# KiCad board k8split.kicad_pcb (continued)
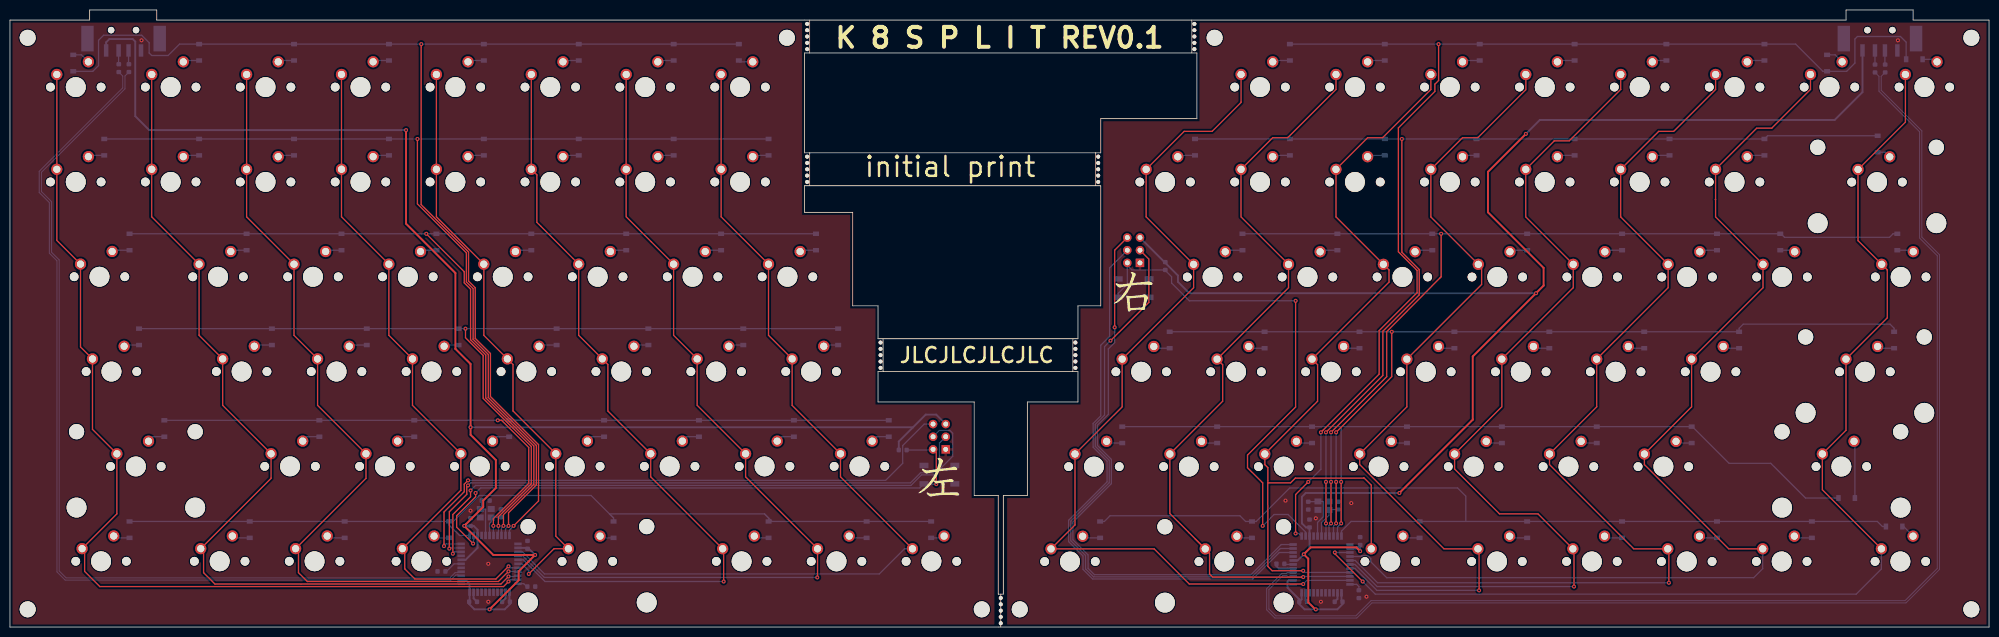
[diagram p0: board, top side]
## Nets (continued)
Net-(D31-Pad2): D31.2 MX31.2
Net-(D32-Pad2): D32.2 MX32.2
Net-(D33-Pad2): D33.2 MX33.2
Net-(D34-Pad2): D34.2 MX34.2
Net-(D35-Pad2): D35.2 MX35.2
Net-(D36-Pad2): D36.2 MX36.2
Net-(D37-Pad2): D37.2 MX37.2
Net-(D38-Pad2): D38.2 MX38.2
Net-(D39-Pad2): D39.2 MX39.2
Net-(D40-Pad2): D40.2 MX40.2
Net-(D41-Pad2): D41.2 MX41.2
Net-(D42-Pad2): D42.2 MX42.2
Net-(D43-Pad2): D43.2 MX43.2
Net-(D44-Pad2): D44.2 MX44.2
Net-(D45-Pad2): D45.2 MX45.2
Net-(D46-Pad2): D46.2 MX46.2
Net-(D47-Pad2): D47.2 MX47.2
Net-(D48-Pad2): D48.2 MX48.2
Net-(D49-Pad2): D49.2 MX49.2
Net-(D50-Pad2): D50.2 MX50.2
Net-(D51-Pad2): D51.2 MX51.2
Net-(D52-Pad2): D52.2 MX52.2
Net-(D53-Pad2): D53.2 MX53.2
Net-(D54-Pad2): D54.2 MX54.2
Net-(D55-Pad2): D55.2 MX55.2
Net-(D56-Pad2): D56.2 MX56.2
Net-(D57-Pad2): D57.2 MX57.2
Net-(D58-Pad2): D58.2 MX58.2
Net-(D59-Pad2): D59.2 MX59.2
Net-(D60-Pad2): D60.2 MX60.2
Net-(D61-Pad2): D61.2 MX61.2
Net-(D62-Pad2): D62.2 MX62.2
Net-(D63-Pad2): D63.2 MX63.2
Net-(D64-Pad2): D64.2 MX64.2
Net-(D65-Pad2): D65.2 MX65.2
Net-(D66-Pad2): D66.2 MX66.2
Net-(D67-Pad2): D67.2 MX67.2
Net-(D68-Pad2): D68.2 MX68.2
Net-(D69-Pad2): D69.2 MX69.2
Net-(D70-Pad2): D70.2 MX70.2
Net-(D71-Pad2): D71.2 MX71.2
Net-(D72-Pad2): D72.2 MX72.2
Net-(D73-Pad2): D73.2 MX73.2
Net-(D74-Pad2): D74.2 MX74.2
Net-(D75-Pad2): D75.2 MX75.2
Net-(D76-Pad2): D76.2 MX76.2
Net-(D77-Pad2): D77.2 MX77.2
Net-(D78-Pad2): D78.2 MX78.2
Net-(D79-Pad2): D79.2 MX79.2
Net-(D80-Pad2): D80.2 MX80.2
Net-(D81-Pad2): D81.2 MX81.2
Net-(D82-Pad2): D82.2 MX82.2
Net-(D83-Pad2): D83.2 MX83.2
Net-(D84-Pad2): D84.2 MX84.2
Net-(D85-Pad2): D85.2 MX85.2
Net-(D86-Pad2): D86.2 MX86.2
Net-(D87-Pad2): D87.2 MX87.2
Net-(D88-Pad2): D88.2 MX88.2
Net-(D89-Pad2): D89.2 MX89.2
Net-(D90-Pad2): D90.2 MX90.2
Net-(D91-Pad2): D91.2 MX91.2
Net-(D92-Pad2): D92.2 MX92.2
Net-(D93-Pad2): D93.2 MX93.2
Net-(D94-Pad2): D94.2 MX94.2
Net-(D95-Pad2): D95.2 MX95.2
Net-(D96-Pad2): D96.2 MX96.2
Net-(R3-Pad2): R3.2 USB1.2
Net-(R4-Pad2): R4.2 USB1.3
Net-(R5-Pad2): R5.2 USB2.2
Net-(R6-Pad2): R6.2 USB2.3
Net-(R25-Pad2): R25.2 U1.33
Net-(R67-Pad2): R67.2 U2.33
Net-(U1-Pad1): U1.1
Net-(U1-Pad8): U1.8
Net-(U1-Pad36): U1.36
Net-(U1-Pad37): U1.37
Net-(U1-Pad38): U1.38
Net-(U1-Pad39): U1.39
Net-(U1-Pad40): U1.40
Net-(U1-Pad41): U1.41
Net-(U1-Pad42): U1.42
Net-(U2-Pad1): U2.1
Net-(U2-Pad8): U2.8
Net-(U2-Pad36): U2.36
Net-(U2-Pad37): U2.37
Net-(U2-Pad38): U2.38
Net-(U2-Pad39): U2.39
Net-(U2-Pad40): U2.40
Net-(U2-Pad41): U2.41
Net-(U2-Pad42): U2.42

Pads without a net: SW1 3 4; SW2 3 4

## Via types
v1: diameter 0.8, hole 0.4, Top to Bottom, 77 vias

## Routing (per net, layer and track width the routed paths; a pad name or vN(x,y) marks a point on that pad's centre or on a via; arc(x,y) is an arc through that point)
+5V: length 336.3
  Top w0.381: v1(79.5,99.82) 79.5,81.03 89.41,71.12 89.41,55.88 92.46,52.83 v1(92.46,40.13) 92.46,38.61 97.54,33.53 97.54,27.94 95,25.4 95,24.13 v1(91.19,20.32) 97.03,14.48 v1(105.41,14.48) 102.11,11.18 102.11,9.4 v1(96.27,3.56)
  Bottom w0.381: J1.2 185.93,42.67 183.82,42.67 181.28,40.13 ; U1.34 100.27,5.17 C15.1 100.36,4.61 99.31,3.56 93.23,3.56 92.18,4.61 C4.1 92.27,5.17 U1.44 92.27,8.69 91.45,9.5 U1.2 ; R1.2 178.41,37.26 181.28,40.13 ; v1(79.5,99.82) 27.94,99.82 25.15,102.62 25.15,117.6 24.64,118.11 19.96,118.11 19.3,117.46 USB1.1 ; 181.28,40.13 v1(92.46,40.13) ; U1.24 103.99,15.9 v1(105.41,14.48) ; U1.7 91.45,13.5 93.87,15.91 U1.14 93.87,19.53 93.08,20.32 v1(91.19,20.32) 91.21,20.29 C7.1
+5VA: length 340.3
  Top w0.381: v1(278.89,26.92) 293.62,41.66 293.62,54.36 307.85,68.58 307.85,72.14 296.67,83.31 296.67,91.44 v1(304.29,99.06) ; v1(271.02,15.24) 270.26,16 261.09,16 v1(259.7,14.62) 260.6,13.72 260.6,4.96 262.01,3.56
  Bottom w0.381: C11.1 258.8,5.56 256.45,7.9 256.45,9.14 256.68,9.37 U2.2 ; C11.1 258.8,4.61 259.85,3.56 266.44,3.56 267.49,4.61 C16.1 267.27,5.3 U2.34 ; C11.1 259.27,5.55 U2.44 ; U2.14 260.86,18.29 C14.1 260.14,20.02 259.33,20.82 259.33,26.16 260.1,26.92 v1(278.89,26.92) ; U2.14 260.87,15.79 v1(259.7,14.62) 258.46,13.37 U2.7 ; U2.14 260.83,18.31 ; J2.2 234.44,70.61 234.44,69.34 236.73,67.06 v1(306.32,67.06) ; v1(304.29,99.06) 307.09,101.85 366.27,101.85 371.86,107.44 USB2.1 ; v1(271.02,15.24) 271.02,16.51 270.28,15.77 268.97,15.77
  vias: v1(262.13,3.56)
GND: length 4.4
  Bottom w0.381: C15.2 99.47,5.77 U1.35 ; C4.2 93.07,5.77 U1.43
  vias: v1(26.42,117.86) v1(92.46,23.37) v1(96.01,12.7) v1(96.01,5.08)
GNDA: length 10.4
  Bottom w0.254: 367.67,117.09 368.43,116.33 ; 382.9,116.33 383.67,117.09
  Bottom w0.381: U2.5 254.68,11.77 254.23,12.23 C10.2 254,12.93 ; U2.43 260.07,5.38 C11.2 ; U2.35 266.47,5.64 C16.2
  vias: v1(256.03,25.4) v1(262.13,21.84) v1(263.14,5.08) v1(269.24,24.89) v1(272.29,6.1) v1(378.97,117.86)
COL0: length 196.7
  Top w0.254: MX1.1 MX2.1 9.4,77.67 MX3.1 14.16,56.26 MX4.1 16.56,39.7 MX5.1 21.46,22.73 MX6.1 14.99,15.24 14.99,11.18 18.03,8.13 99.06,8.13 v1(100.08,9.14)
  Bottom w0.254: U1.32 100.43,9.5 v1(100.08,9.14)
COL0-R: length 185.5
  Top w0.254: v1(259.59,8.64) 236.73,8.64 229.67,15.7 MX54.1 213.78,20.51 MX53.1 223.25,44.23 MX52.1 237.59,68.16 MX51.1 228.06,82.38 MX50.1 235.69,99.57 241.3,99.57 247.12,105.39 MX49.1
  Bottom w0.254: U2.32 260.32,9.37 v1(259.59,8.64)
COL1: length 180.8
  Top w0.254: 58.39,8.64 41.15,8.64 38.86,10.92 38.86,15.17 MX12.1 52.41,29.87 MX11.1 42.7,44.53 MX10.1 37.96,58.6 MX9.1 28.45,82.4 MX8.1 MX7.1 ; v1(100.08,10.16) 98.55,8.64 58.42,8.64
  Bottom w0.254: v1(100.08,10.16) 101.83,10.16 U1.31
COL1-R: length 159.4
  Top w0.254: 237.92,17.7 232.83,22.79 MX59.1 243.43,45.36 243.43,52.69 MX58.1 256.64,68.16 MX57.1 247.11,82.38 MX56.1 253.47,98.3 256.48,98.3 266.17,107.98 MX55.1 ; 237.92,17.7 MX60.1 ; 237.92,17.7 238.82,16.81 ; MX60.1 238.8,16.82 ; MX60.1 240.79,14.83 240.79,10.67 241.43,10.03 v1(259.59,10.03)
  Bottom w0.254: U2.31 268.96,10.16 259.72,10.16 v1(259.59,10.03)
COL2: length 161.8
  Top w0.254: v1(100.08,11.18) 98.04,9.14 59.69,9.14 57.91,10.92 57.91,15.17 MX18.1 71.46,29.87 MX17.1 61.75,44.53 MX16.1 57.01,58.6 MX15.1 47.5,82.4 MX14.1 MX13.1
  Bottom w0.254: U1.30 101.89,11.18 v1(100.08,11.18)
COL2-R: length 176
  Top w0.254: 252.48,28.96 252.49,29.48 252.49,32.02 251.88,32.63 MX65.1 262.48,45.36 262.48,52.69 MX64.1 276.82,69.29 276.82,71.73 MX63.1 266.16,82.38 MX62.1 272.52,98.3 275.53,98.3 285.22,107.98 MX61.1 ; 252.48,28.96 252.49,12.18 253.37,11.3 v1(259.59,11.3) ; 252.48,28.96 257.05,28.96 258.01,29.92 271.73,29.92 271.78,29.97 273.25,28.5 MX66.1
  Bottom w0.254: U2.30 259.92,10.97 v1(259.59,11.3)
COL3: length 139
  Top w0.254: v1(100.08,12.19) 97.54,9.65 81.28,9.65 79.25,11.68 79.25,15.27 MX24.1 90.51,27.48 MX23.1 80.8,44.53 MX22.1 76.06,58.6 MX21.1 66.55,82.4 MX20.1 MX19.1
  Bottom w0.254: v1(100.08,12.19) 100.37,11.9 U1.29
COL3-R: length 169.4
  Top w0.254: MX67.1 304.27,107.93 294.64,98.3 291.57,98.3 MX68.1 285.21,82.38 MX69.1 295.4,72.19 295.4,68.82 MX70.1 280.4,44.23 MX71.1 270.93,32.63 287.85,15.71 MX72.1 294.89,15.49 v1(294.89,7.37)
  Bottom w0.254: v1(294.89,7.37) 274.38,7.37 269.98,11.77 U2.29
COL4: length 119.7
  Top w0.254: MX25.1 MX26.1 85.6,82.4 MX27.1 95.11,58.6 MX28.1 100.97,52.74 100.97,43.4 MX29.1 109.56,18.27 MX30.1 109.2,15.73 v1(104.14,10.67)
  Bottom w0.254: v1(104.14,10.67) 104.14,11.3 102.74,12.7 U1.28
COL4-R: length 187.6
  Top w0.254: v1(313.94,8.13) 313.94,15.49 MX78.1 306.7,22.73 298.99,22.73 289.98,31.75 MX77.1 299.45,44.23 MX76.1 313.79,68.16 MX75.1 304.26,82.38 MX74.1 309.99,97.66 313,97.66 323.32,107.98 MX73.1
  Bottom w0.254: v1(313.94,8.13) 274.42,8.13 269.98,12.57 U2.28
COL5: length 160.9
  Top w0.254: MX31.1 MX32.1 105.77,90.82 105.77,81.28 106.55,80.52 113.04,74.02 MX33.1 114.16,58.6 MX34.1 120.02,52.74 120.02,43.4 MX35.1 128.61,30.17 MX36.1 143.26,15.53 v1(143.26,9.14)
  Bottom w0.254: U1.27 103.04,13.5 107.4,9.14 v1(143.26,9.14)
COL5-R: length 205.3
  Top w0.254: MX79.1 342.37,107.98 333.95,99.57 330.94,99.57 MX80.1 323.31,82.38 MX81.1 332.84,68.16 MX82.1 318.5,44.23 MX83.1 309.03,32.63 325.95,15.71 MX84.1 332.99,15.49 v1(332.99,8.89)
  Bottom w0.254: 274.57,8.89 v1(332.99,8.89) ; U2.27 270.03,13.37 274.51,8.89
COL6: length 178.8
  Top w0.254: v1(162.05,9.96) 162.1,10.02 MX42.1 147.66,30.17 MX41.1 137.95,44.53 MX40.1 133.21,58.6 MX39.1 123.7,82.4 MX38.1 MX37.1
  Bottom w0.254: v1(162.05,9.96) 107.26,9.96 102.92,14.3 U1.26
COL6-R: length 222.5
  Top w0.254: 342.36,85.88 342.36,82.38 MX87.1 351.89,68.16 MX88.1 337.55,44.23 MX89.1 328.08,32.63 345,15.71 MX90.1 ; 342.36,85.88 342.29,85.88 ; 342.36,85.88 MX86.1 350.63,100.2 353.64,100.2 361.42,107.98 MX85.1
  Bottom w0.254: MX90.1 351.82,11.72 350.01,9.91 276.35,9.91 273.16,13.1 273.16,13.74 272.55,14.35 271.41,14.35 271.29,14.22 271.27,14.22 271.22,14.17 U2.26
COL7: length 194.3
  Top w0.254: MX48.1 166.71,30.17 MX47.1 157,44.53 MX46.1 152.26,58.6 MX45.1 142.75,82.4 MX44.1 MX43.1
  Bottom w0.254: MX48.1 179.56,15.73 174.5,10.67 107.3,10.67 102.87,15.1 U1.25
COL7-R: length 234.5
  Top w0.254: MX96.1 363.8,27.57 MX95.1 368.54,39.52 MX94.1 376.83,62.11 376.83,71.74 MX93.1 370.96,77.61 MX92.1 380.47,101.42 MX91.1 ; v1(271.53,9.14) 265.94,14.73 v1(265.94,14.99)
  Bottom w0.254: v1(265.94,14.99) 265.95,14.97 U2.25 ; v1(271.53,9.14) 274.07,6.6 370.59,6.6 375.65,11.67 MX96.1
D+: length 190.7
  Bottom w0.2: U1.4 90.09,11.1 89.92,10.93 89.35,10.93 88.3,9.88 11.27,9.88 9.88,11.27 9.88,73.75 8.35,75.28 8.35,85.44 6.32,87.47 6.32,91.35 23.09,108.11 23.09,110.69 R4.1
D-: length 191.5
  Bottom w0.2: R3.1 22.64,110.69 22.64,108.3 5.87,91.53 5.87,87.28 7.9,85.25 7.9,75.09 9.43,73.57 9.43,11.08 11.08,9.43 88.49,9.43 89.53,10.48 89.92,10.48 90.09,10.3 U1.3
MISO: length 119.2
  Top w0.254: v1(87.12,16.26) 87.12,23.11 91.19,27.18 91.19,28.7 v1(91.95,29.46)
  Bottom w0.254: 185.04,40.77 J1.1 183.51,40.77 179.2,36.45 179.2,32.89 175.77,29.46 v1(91.95,29.46) ; U1.11 87.56,16.7 v1(87.12,16.26)
MISO-R: length 118.7
  Top w0.254: v1(221.74,60.2) 221.74,75.69 J2.1
  Bottom w0.254: v1(221.74,60.2) 221.74,57.13 220.47,55.86 220.47,42.72 218.29,40.54 218.29,36.47 221.08,33.68 221.08,28.8 213.36,21.08 213.36,17.53 216.41,14.48 216.41,11.79 217.68,10.52 249.12,10.52 255.18,16.57 U2.11
MOSI: length 119.4
  Top w0.254: v1(88.2,15.75) 88.2,23.17 91.69,26.67 91.69,28.19 v1(91.95,28.45)
  Bottom w0.254: U1.10 88.35,15.9 v1(88.2,15.75) ; J1.4 186.56,36.96 186.56,32.23 185.32,30.99 182.78,30.99 180.75,28.96 92.46,28.96 v1(91.95,28.45)
MOSI-R: length 119.5
  Top w0.254: v1(220.9,57.52) 220.91,57.52 228.6,65.21 228.6,73.91 J2.4
  Bottom w0.254: v1(220.9,57.52) 219.71,56.33 219.71,42.57 217.86,40.72 217.86,36.3 220.65,33.5 220.65,28.98 212.93,21.26 212.93,17.35 215.9,14.38 215.9,11.68 217.5,10.08 249.3,10.08 254.99,15.77 257.57,15.77
R-D+: length 255.7
  Bottom w0.2: R6.1 375.61,110.61 375.61,107.81 383.76,99.66 383.76,78.33 387.32,74.77 387.32,11.59 380.59,4.86 273.4,4.86 270.35,1.81 253.91,1.81 252.25,3.46 252.25,7.71 255.34,10.8 256.27,10.8 256.45,10.97 U2.4
R-D-: length 254
  Bottom w0.2: 257.1,10.17 U2.3 256.45,10.17 256.27,10.35 255.52,10.35 252.7,7.53 252.7,3.65 254.09,2.26 270.16,2.26 273.21,5.31 380.4,5.31 386.87,11.78 386.87,74.58 383.31,78.14 383.31,99.47 375.16,107.63 375.16,110.61 R5.1
RESET: length 120.7
  Top w0.254: 185.29,35.69 185.93,35.05 v1(185.93,28.7) ; v1(93.47,26.92) 93.47,26.16 89.66,22.35 89.66,20.07 v1(92.96,16.76)
  Bottom w0.254: v1(93.47,26.92) 94.49,27.94 182.63,27.94 183.39,28.7 v1(185.93,28.7) 185.87,28.76 ; v1(92.96,16.76) 93.07,16.87 U1.13 ; 185.29,35.69 185.17,35.56 R1.1
RESET-R: length 108
  Top w0.254: v1(258.06,65.53) 258.06,44.2 248.41,34.54 248.41,32 251.46,28.96 v1(251.46,20.32)
  Bottom w0.254: v1(258.06,65.53) 236.73,65.53 233.17,69.09 233.17,70.36 231.9,71.63 R2.1 225.2,71.73 224.28,72.64 J2.5 224.28,68.86 222.45,67.03 SW2.2 ; v1(251.46,20.32) 253.75,22.61 256.54,22.61 260.07,19.08 U2.13
ROW0: length 254.3
  Top w0.254: v1(101.09,20.32) 106.1,25.32 106.1,36.65 96.44,46.3 96.44,54.94 93.4,57.99 93.4,68.15 92.05,69.49 92.05,75.34 82.55,84.84 v1(82.55,117.09)
  Bottom w0.254: D1.1 16.64,111.63 17.78,112.78 17.78,117.86 18.8,118.87 26.44,118.87 27.94,117.38 27.94,115.32 28.45,114.81 31.75,114.81 34.04,117.09 D7.1 v1(82.55,117.09) D43.1 ; U1.22 100.27,19.49 v1(101.09,20.32)
ROW0-R: length 250.6
  Top w0.254: v1(260.6,29.15) 258.06,26.61 v1(258.06,18.8) ; v1(263.14,39.12) 274.83,50.8 274.83,59.54 282.45,67.16 282.45,71.63 278.69,75.38 278.69,100.26 286,107.57 286,109.03 286.76,109.79 v1(286.76,117.09)
  Bottom w0.254: v1(258.06,18.8) 258.75,18.8 U2.12 ; 380.68,114.05 380.49,114.23 ; D49.1 v1(286.76,117.09) D79.1 358.43,117.09 363.89,111.63 D85.1 368.68,111.63 370.33,113.28 370.33,118.11 370.84,118.62 379.48,118.62 380.62,117.47 D91.1 ; v1(263.14,39.12) 263.14,31.69 v1(260.6,29.15)
ROW1: length 225.5
  Top w0.254: v1(81.79,98.04) 81.79,84.99 91.62,75.16 91.62,69.32 92.96,67.97 92.96,57.81 96.01,54.76 96.01,46.13 105.66,36.47 105.66,28.55 100.08,22.96 v1(100.08,20.32)
  Bottom w0.254: 152.27,98.04 v1(81.79,98.04) 18.92,98.04 ; v1(100.08,20.32) 99.47,19.71 U1.21
ROW1-R: length 226.3
  Top w0.254: v1(264.16,39.12) 275.59,50.55 275.59,59.44 282.88,66.73 282.88,71.81 279.4,75.29 v1(279.4,98.04) ; v1(264.16,20.83) v1(264.16,29.15)
  Bottom w0.254: D92.1 352.81,98.68 352.17,98.04 v1(279.4,98.04) 237.87,98.04 ; v1(264.16,20.83) 264.16,18.36 U2.18 ; v1(264.16,39.12) v1(264.16,29.15)
ROW2: length 210
  Top w0.254: v1(99.06,20.32) 99.06,22.58 105.16,28.67 105.16,36.37 95.5,46.02 95.5,54.66 92.46,57.71 92.46,67.87 91.19,69.14 91.19,71.37 v1(83.56,78.99)
  Bottom w0.254: 24,78.99 v1(83.56,78.99) 161.8,78.99 ; v1(99.06,20.32) 98.67,19.93 U1.20
ROW2-R: length 202.1
  Top w0.254: v1(287.27,78.99) 287.27,70.36 287.02,70.1 276.35,59.34 276.35,50.29 v1(265.18,39.12) ; v1(265.18,20.83) v1(265.18,29.15)
  Bottom w0.254: v1(265.18,20.83) 264.78,20.43 264.78,18.37 U2.19 ; 247.4,78.99 v1(287.27,78.99) 355.5,78.99 356.2,78.29 377.28,78.29 377.99,78.99 378.84,78.99 ; v1(265.18,39.12) v1(265.18,29.15)
ROW3: length 190.2
  Top w0.254: v1(98.04,20.32) 98.04,22.17 104.65,28.78 104.65,36.27 95,45.92 95,54.56 91.44,58.11 v1(91.44,59.94)
  Bottom w0.254: v1(98.04,20.32) 98.04,18.58 U1.19 ; D46.1 v1(91.44,59.94) D4.1
ROW3-R: length 193.4
  Top w0.254: v1(277.37,59.31) 277.37,50.29 v1(266.19,39.12) ; v1(266.19,20.83) v1(266.19,29.15)
  Bottom w0.254: v1(266.19,20.83) 265.67,20.31 U2.20 ; D52.1 D88.1 347.09,60.01 347.91,60.83 377.38,60.83 378.21,60.01 D94.1 ; v1(266.19,39.12) v1(266.19,29.15)
ROW4: length 174.5
  Top w0.254: v1(97.03,20.32) 97.03,21.77 104.14,28.88 104.14,36.07 98.68,41.53 v1(97.92,41.53)
  Bottom w0.254: U1.18 97.03,18.44 v1(97.03,20.32) ; D47.1 v1(97.92,41.53) D11.1 D5.1
ROW4-R: length 171.9
  Top w0.254: v1(267.21,20.83) v1(267.21,29.15)
  Bottom w0.254: v1(267.21,20.83) 266.47,20.09 U2.21 ; D53.1 D89.1 337.69,40.26 345.06,32.89 353.44,32.89 360.43,25.91 D95.1 ; 267.21,40.13 v1(267.21,29.15)
ROW5: length 176.5
  Bottom w0.254: 151.45,22.73 152.27,21.91 D36.1 D48.1 ; 151.45,22.73 120.34,22.73 121.16,21.91 ; 151.45,22.73 152.98,21.21 ; 121.16,21.91 116.65,26.42 94.2,26.42 88.99,21.21 D24.1 ; 121.16,21.91 D30.1 ; D6.1 D24.1 ; D24.1 88.14,20.5 90.24,18.4 U1.12
ROW5-R: length 194.4
  Bottom w0.254: U2.22 267.27,19.28 269.2,21.21 D66.1 292.23,21.21 ; D54.1 219.68,21.21 220.82,22.35 246.89,22.35 248.03,21.21 D60.1 250.16,21.21 256.89,27.94 290.58,27.94 292.23,26.29 292.23,21.21 ; 292.23,21.21 374.84,21.21 375.85,20.19 D96.1
SCK: length 124.9
  Top w0.254: v1(88.9,14.73) 88.9,22.61 92.46,26.16 v1(92.46,27.43)
  Bottom w0.254: U1.9 89.27,15.1 v1(88.9,14.73) ; J1.3 186.56,39.5 188.67,39.5 189.23,38.94 189.23,34.29 185.5,30.56 182.96,30.56 180.85,28.45 93.47,28.45 v1(92.46,27.43)
SCK-R: length 117.7
  Bottom w0.254: J2.3 220.73,72.14 220.73,58.37 218.95,56.6 218.95,42.42 217.42,40.89 217.42,36.12 220.22,33.32 220.22,29.16 212.5,21.44 212.5,17.17 215.39,14.27 215.39,11.58 217.32,9.65 249.48,9.65 254.8,14.97 U2.9
Net-(C1-Pad1): length 5.7
  Bottom w0.254: U1.17 96.27,20.82 96.6,21.16 Y1.1 96.67,22.07 C1.1
Net-(C2-Pad1): length 8.1
  Bottom w0.254: U1.16 95.47,23.6 95.36,23.71 Y1.3 94.72,24.02 C2.1
Net-(C3-Pad1): length 3.8
  Bottom w0.254: 87.38,11.18 87.63,11.18 89.15,12.7 U1.6
Net-(C8-Pad1): length 7.8
  Bottom w0.254: C8.1 264.81,23.6 Y2.1 264.75,22.44 263.27,20.96 U2.17
Net-(C9-Pad1): length 10.4
  Bottom w0.254: C9.1 262.49,25.17 Y2.3 263.51,25.23 263.65,25.09 263.65,22.19 262.47,21.01 U2.16
Net-(C10-Pad1): length 1.8
  Bottom w0.254: U2.6 255.93,12.57 C10.1
Net-(D1-Pad2): length 4
  Bottom w0.254: 15.49,113.79 MX1.2 14.35,114.93 D1.2
Net-(D2-Pad2): length 3.3
  Bottom w0.254: MX2.2 16,94.74 D2.2
Net-(D3-Pad2): length 3.6
  Bottom w0.254: MX3.2 20.76,75.69 D3.2
Net-(D4-Pad2): length 3.1
  Bottom w0.254: 25.91,56.64 23.16,56.64 MX4.2
Net-(D5-Pad2): length 3.5
  Bottom w0.254: MX5.2 28.7,38.23 D5.2
Net-(D6-Pad2): length 3.3
  Bottom w0.254: MX6.2 21.21,17.91 D6.2
Net-(D7-Pad2): length 3.3
  Bottom w0.254: 37.97,113.79 35.05,113.79 MX7.2
Net-(D8-Pad2): length 3.3
  Bottom w0.254: D8.2 35.05,94.74 MX8.2
Net-(D9-Pad2): length 3.3
  Bottom w0.254: D9.2 44.57,75.69 MX9.2
Net-(D10-Pad2): length 3.6
  Bottom w0.254: MX10.2 49.29,56.64 52.58,56.64
Net-(D11-Pad2): length 3.7
  Bottom w0.254: D11.2 59.64,38.23 MX11.2
Net-(D12-Pad2): length 3.7
  Bottom w0.254: MX12.2 45.02,17.91 D12.2
Net-(D13-Pad2): length 3.3
  Bottom w0.254: MX13.2 54.1,113.79 57.02,113.79
Net-(D14-Pad2): length 3.3
  Bottom w0.254: D14.2 54.1,94.74 MX14.2
Net-(D15-Pad2): length 3.3
  Bottom w0.254: D15.2 63.62,75.69 MX15.2
Net-(D16-Pad2): length 3.6
  Bottom w0.254: 71.63,56.64 68.34,56.64 MX16.2
Net-(D17-Pad2): length 3.7
  Bottom w0.254: MX17.2 78.69,38.23 D17.2
Net-(D18-Pad2): length 3.7
  Bottom w0.254: MX18.2 64.07,17.91 D18.2
Net-(D19-Pad2): length 3.3
  Bottom w0.254: MX19.2 73.15,113.79 76.07,113.79
Net-(D20-Pad2): length 3.3
  Bottom w0.254: MX20.2 73.15,94.74 D20.2
Net-(D21-Pad2): length 3.3
  Bottom w0.254: D21.2 82.67,75.69 MX21.2
Net-(D22-Pad2): length 3
  Bottom w0.254: MX22.2 87.39,56.64 90.04,56.64
Net-(D23-Pad2): length 3.7
  Bottom w0.254: D23.2 97.74,38.23 MX23.2
Net-(D24-Pad2): length 3.2
  Bottom w0.254: MX24.2 85.5,17.91 D24.2
Net-(D25-Pad2): length 3.3
  Bottom w0.254: MX25.2 92.2,113.79 95.12,113.79
Net-(D26-Pad2): length 3.3
  Bottom w0.254: MX26.2 92.2,94.74 D26.2
Net-(D27-Pad2): length 3.3
  Bottom w0.254: MX27.2 101.72,75.69 D27.2
Net-(D28-Pad2): length 3.6
  Bottom w0.254: 109.73,56.64 106.44,56.64 MX28.2
Net-(D29-Pad2): length 3.7
  Bottom w0.254: D29.2 116.79,38.23 MX29.2
Net-(D30-Pad2): length 2.9
  Bottom w0.254: D30.2 118.81,17.91 MX30.2
Net-(D31-Pad2): length 3.3
  Bottom w0.254: MX31.2 111.25,113.79 114.17,113.79
Net-(D32-Pad2): length 3.3
  Bottom w0.254: MX32.2 111.25,94.74 D32.2
Net-(D33-Pad2): length 3.3
  Bottom w0.254: MX33.2 120.77,75.69 D33.2
Net-(D34-Pad2): length 3
  Bottom w0.254: MX34.2 125.49,56.64 128.14,56.64
Net-(D35-Pad2): length 3.7
  Bottom w0.254: D35.2 135.84,38.23 MX35.2
Net-(D36-Pad2): length 3
  Bottom w0.254: D36.2 149.77,17.91 MX36.2
Net-(D37-Pad2): length 3.3
  Bottom w0.254: MX37.2 130.3,113.79 133.22,113.79
Net-(D38-Pad2): length 3.3
  Bottom w0.254: D38.2 130.3,94.74 MX38.2
Net-(D39-Pad2): length 3.3
  Bottom w0.254: MX39.2 139.82,75.69 D39.2
Net-(D40-Pad2): length 3
  Bottom w0.254: 147.19,56.64 144.54,56.64 MX40.2
Net-(D41-Pad2): length 3.7
  Bottom w0.254: D41.2 154.89,38.23 MX41.2
Net-(D42-Pad2): length 3.7
  Bottom w0.254: D42.2 168.82,17.91 MX42.2
Net-(D43-Pad2): length 3.3
  Bottom w0.254: 149.35,113.79 MX43.2 146.56,113.54 146.3,113.79
Net-(D44-Pad2): length 3.3
  Bottom w0.254: D44.2 149.35,94.74 MX44.2
Net-(D45-Pad2): length 3.3
  Bottom w0.254: D45.2 158.87,75.69 MX45.2
Net-(D46-Pad2): length 3
  Bottom w0.254: 166.24,56.64 163.59,56.64 MX46.2
Net-(D47-Pad2): length 3.7
  Bottom w0.254: D47.2 173.94,38.23 MX47.2
Net-(D48-Pad2): length 3.3
  Bottom w0.254: 187.87,17.91 MX48.2 187.14,17.91 D48.2
Net-(D49-Pad2): length 3.6
  Bottom w0.254: 256.92,113.79 253.72,113.79 MX49.2
Net-(D50-Pad2): length 3.6
  Bottom w0.254: D50.2 234.68,94.74 MX50.2
Net-(D51-Pad2): length 3.6
  Bottom w0.254: D51.2 244.24,75.69 MX51.2
Net-(D52-Pad2): length 3.3
  Bottom w0.254: D52.2 229.95,56.01 MX52.2
Net-(D53-Pad2): length 3.3
  Bottom w0.254: D53.2 220.47,36.96 MX53.2
Net-(D54-Pad2): length 3.6
  Bottom w0.254: D54.2 215.64,17.91 MX54.2
Net-(D55-Pad2): length 3.6
  Bottom w0.254: 275.97,113.79 272.77,113.79 MX55.2
Net-(D56-Pad2): length 3.6
  Bottom w0.254: D56.2 253.73,94.74 MX56.2
Net-(D57-Pad2): length 3.6
  Bottom w0.254: D57.2 263.29,75.69 MX57.2
Net-(D58-Pad2): length 3.3
  Bottom w0.254: D58.2 249,56.01 MX58.2
Net-(D59-Pad2): length 3.3
  Bottom w0.254: D59.2 239.52,36.96 MX59.2
Net-(D60-Pad2): length 3.2
  Bottom w0.254: D60.2 246.61,17.91 MX60.2
Net-(D61-Pad2): length 3.6
  Bottom w0.254: 295.02,113.79 291.82,113.79 MX61.2
Net-(D62-Pad2): length 3.6
  Bottom w0.254: D62.2 272.78,94.74 MX62.2
Net-(D63-Pad2): length 3.6
  Bottom w0.254: D63.2 282.34,75.69 MX63.2
Net-(D64-Pad2): length 3.3
  Bottom w0.254: D64.2 268.05,56.01 MX64.2
Net-(D65-Pad2): length 3.3
  Bottom w0.254: D65.2 258.57,36.96 MX65.2
Net-(D66-Pad2): length 3.5
  Bottom w0.254: D66.2 279.94,17.91 MX66.2
Net-(D67-Pad2): length 3.6
  Bottom w0.254: 314.07,113.79 310.87,113.79 MX67.2
Net-(D68-Pad2): length 2.9
  Bottom w0.254: D68.2 291.83,94.74 MX68.2
Net-(D69-Pad2): length 3.6
  Bottom w0.254: D69.2 301.39,75.69 MX69.2
Net-(D70-Pad2): length 3.3
  Bottom w0.254: D70.2 287.1,56.01 MX70.2
Net-(D71-Pad2): length 3.3
  Bottom w0.254: D71.2 277.62,36.96 MX71.2
Net-(D72-Pad2): length 3.7
  Bottom w0.254: D72.2 301.37,17.91 MX72.2
Net-(D73-Pad2): length 2.9
  Bottom w0.254: 332.49,113.79 329.92,113.79 MX73.2
Net-(D74-Pad2): length 3.6
  Bottom w0.254: D74.2 310.88,94.74 MX74.2
Net-(D75-Pad2): length 3.6
  Bottom w0.254: D75.2 320.44,75.69 MX75.2
Net-(D76-Pad2): length 3.3
  Bottom w0.254: D76.2 306.15,56.01 MX76.2
Net-(D77-Pad2): length 3.3
  Bottom w0.254: D77.2 296.67,36.96 MX77.2
Net-(D78-Pad2): length 3.7
  Bottom w0.254: D78.2 320.42,17.91 MX78.2
Net-(D79-Pad2): length 3.6
  Bottom w0.254: 352.17,113.79 348.97,113.79 MX79.2
Net-(D80-Pad2): length 3.6
  Bottom w0.254: D80.2 329.93,94.74 MX80.2
Net-(D81-Pad2): length 3.6
  Bottom w0.254: D81.2 339.49,75.69 MX81.2
Net-(D82-Pad2): length 3.3
  Bottom w0.254: D82.2 325.2,56.01 MX82.2
Net-(D83-Pad2): length 3.3
  Bottom w0.254: D83.2 315.72,36.96 MX83.2
Net-(D84-Pad2): length 3.7
  Bottom w0.254: D84.2 339.47,17.91 MX84.2
Net-(D85-Pad2): length 4
  Bottom w0.254: D85.2 366.37,114.93 MX85.2 367.51,113.79
Net-(D86-Pad2): length 3.6
  Bottom w0.254: D86.2 348.98,94.74 MX86.2
Net-(D87-Pad2): length 3
  Bottom w0.254: D87.2 357.94,75.69 MX87.2
Net-(D88-Pad2): length 3.3
  Bottom w0.254: D88.2 344.25,56.01 MX88.2
Net-(D89-Pad2): length 3.3
  Bottom w0.254: D89.2 334.77,36.96 MX89.2
Net-(D90-Pad2): length 3.7
  Bottom w0.254: D90.2 358.52,17.91 MX90.2
Net-(D91-Pad2): length 4.4
  Bottom w0.254: D91.2 386.31,114.05 MX91.2 ; MX91.2 386.57,113.79 ; MX91.2 387.2,113.16 ; MX91.2 386.57,113.79
Net-(D92-Pad2): length 3.2
  Bottom w0.254: D92.2 376.39,95.38 MX92.2 377.6,94.74
Net-(D93-Pad2): length 3.3
  Bottom w0.254: D93.2 381.77,75.69 MX93.2
Net-(D94-Pad2): length 3.5
  Bottom w0.254: D94.2 375.24,56.01 MX94.2
Net-(D95-Pad2): length 11.5
  Bottom w0.254: 370.33,25.91 370.33,37.14 MX95.2
Net-(D96-Pad2): length 3
  Bottom w0.254: D96.2 380.11,20.19 382,18.3 MX96.2
Net-(R3-Pad2): length 2.6
  Bottom w0.254: USB1.2 21.8,113.25 21.84,113.21
Net-(R4-Pad2): length 2.6
  Bottom w0.254: USB1.3 23.8,113.28 23.88,113.21
Net-(R5-Pad2): length 2.6
  Bottom w0.254: USB2.2 374.36,113.25 374.4,113.21
Net-(R6-Pad2): length 2.6
  Bottom w0.254: USB2.3 376.36,113.28 376.43,113.21
Net-(R25-Pad2): length 2
  Bottom w0.254: 103.71,8.13 103.14,8.7 U1.33
Net-(R67-Pad2): length 2.7
  Bottom w0.254: U2.33 270.32,8.57 270.76,8.13 R67.2

## Copper pours and planes (outline as drawn; the poured copper is in the pictures)
GND on Top: 159,82.8 168.66,82.8 168.66,64.01 173.74,64.01 173.74,44.7 193.04,44.7 193.04,25.91 197.61,25.91 197.61,0.51 0.51,0.51 0.51,121.41 159,121.41
GND on Bottom: 159,82.8 168.66,82.8 168.66,64.01 173.74,64.01 173.74,44.7 193.04,44.7 193.04,25.91 197.61,25.91 197.61,0.51 0.51,0.51 0.51,121.41 159,121.41
GNDA on Top: 396.75,0.51 200.15,0.51 200.15,25.91 204.72,25.91 204.72,44.7 214.88,44.7 214.88,64.01 219.46,64.01 219.46,101.6 238.76,101.6 238.76,121.41 396.75,121.41
GNDA on Bottom: 396.75,0.51 200.15,0.51 200.15,25.91 204.72,25.91 204.72,44.7 214.88,44.7 214.88,64.01 219.46,64.01 219.46,101.6 238.76,101.6 238.76,121.41 396.75,121.41

## Text on the board
B.Mask: GITHUB.COM/CKATH/K8SPLIT
B.Silkscreen: might contain corona / proceed with caution | 5V | D- | D+ | GND | rev 0.1
F.Silkscreen: JLCJLCJLCJLC | initial print | K 8 S P L I T REV0.1
